# Altium PCB PrintNC_GRBLHAL_Breakout.pcbdoc (part 5 of 9) (continued)
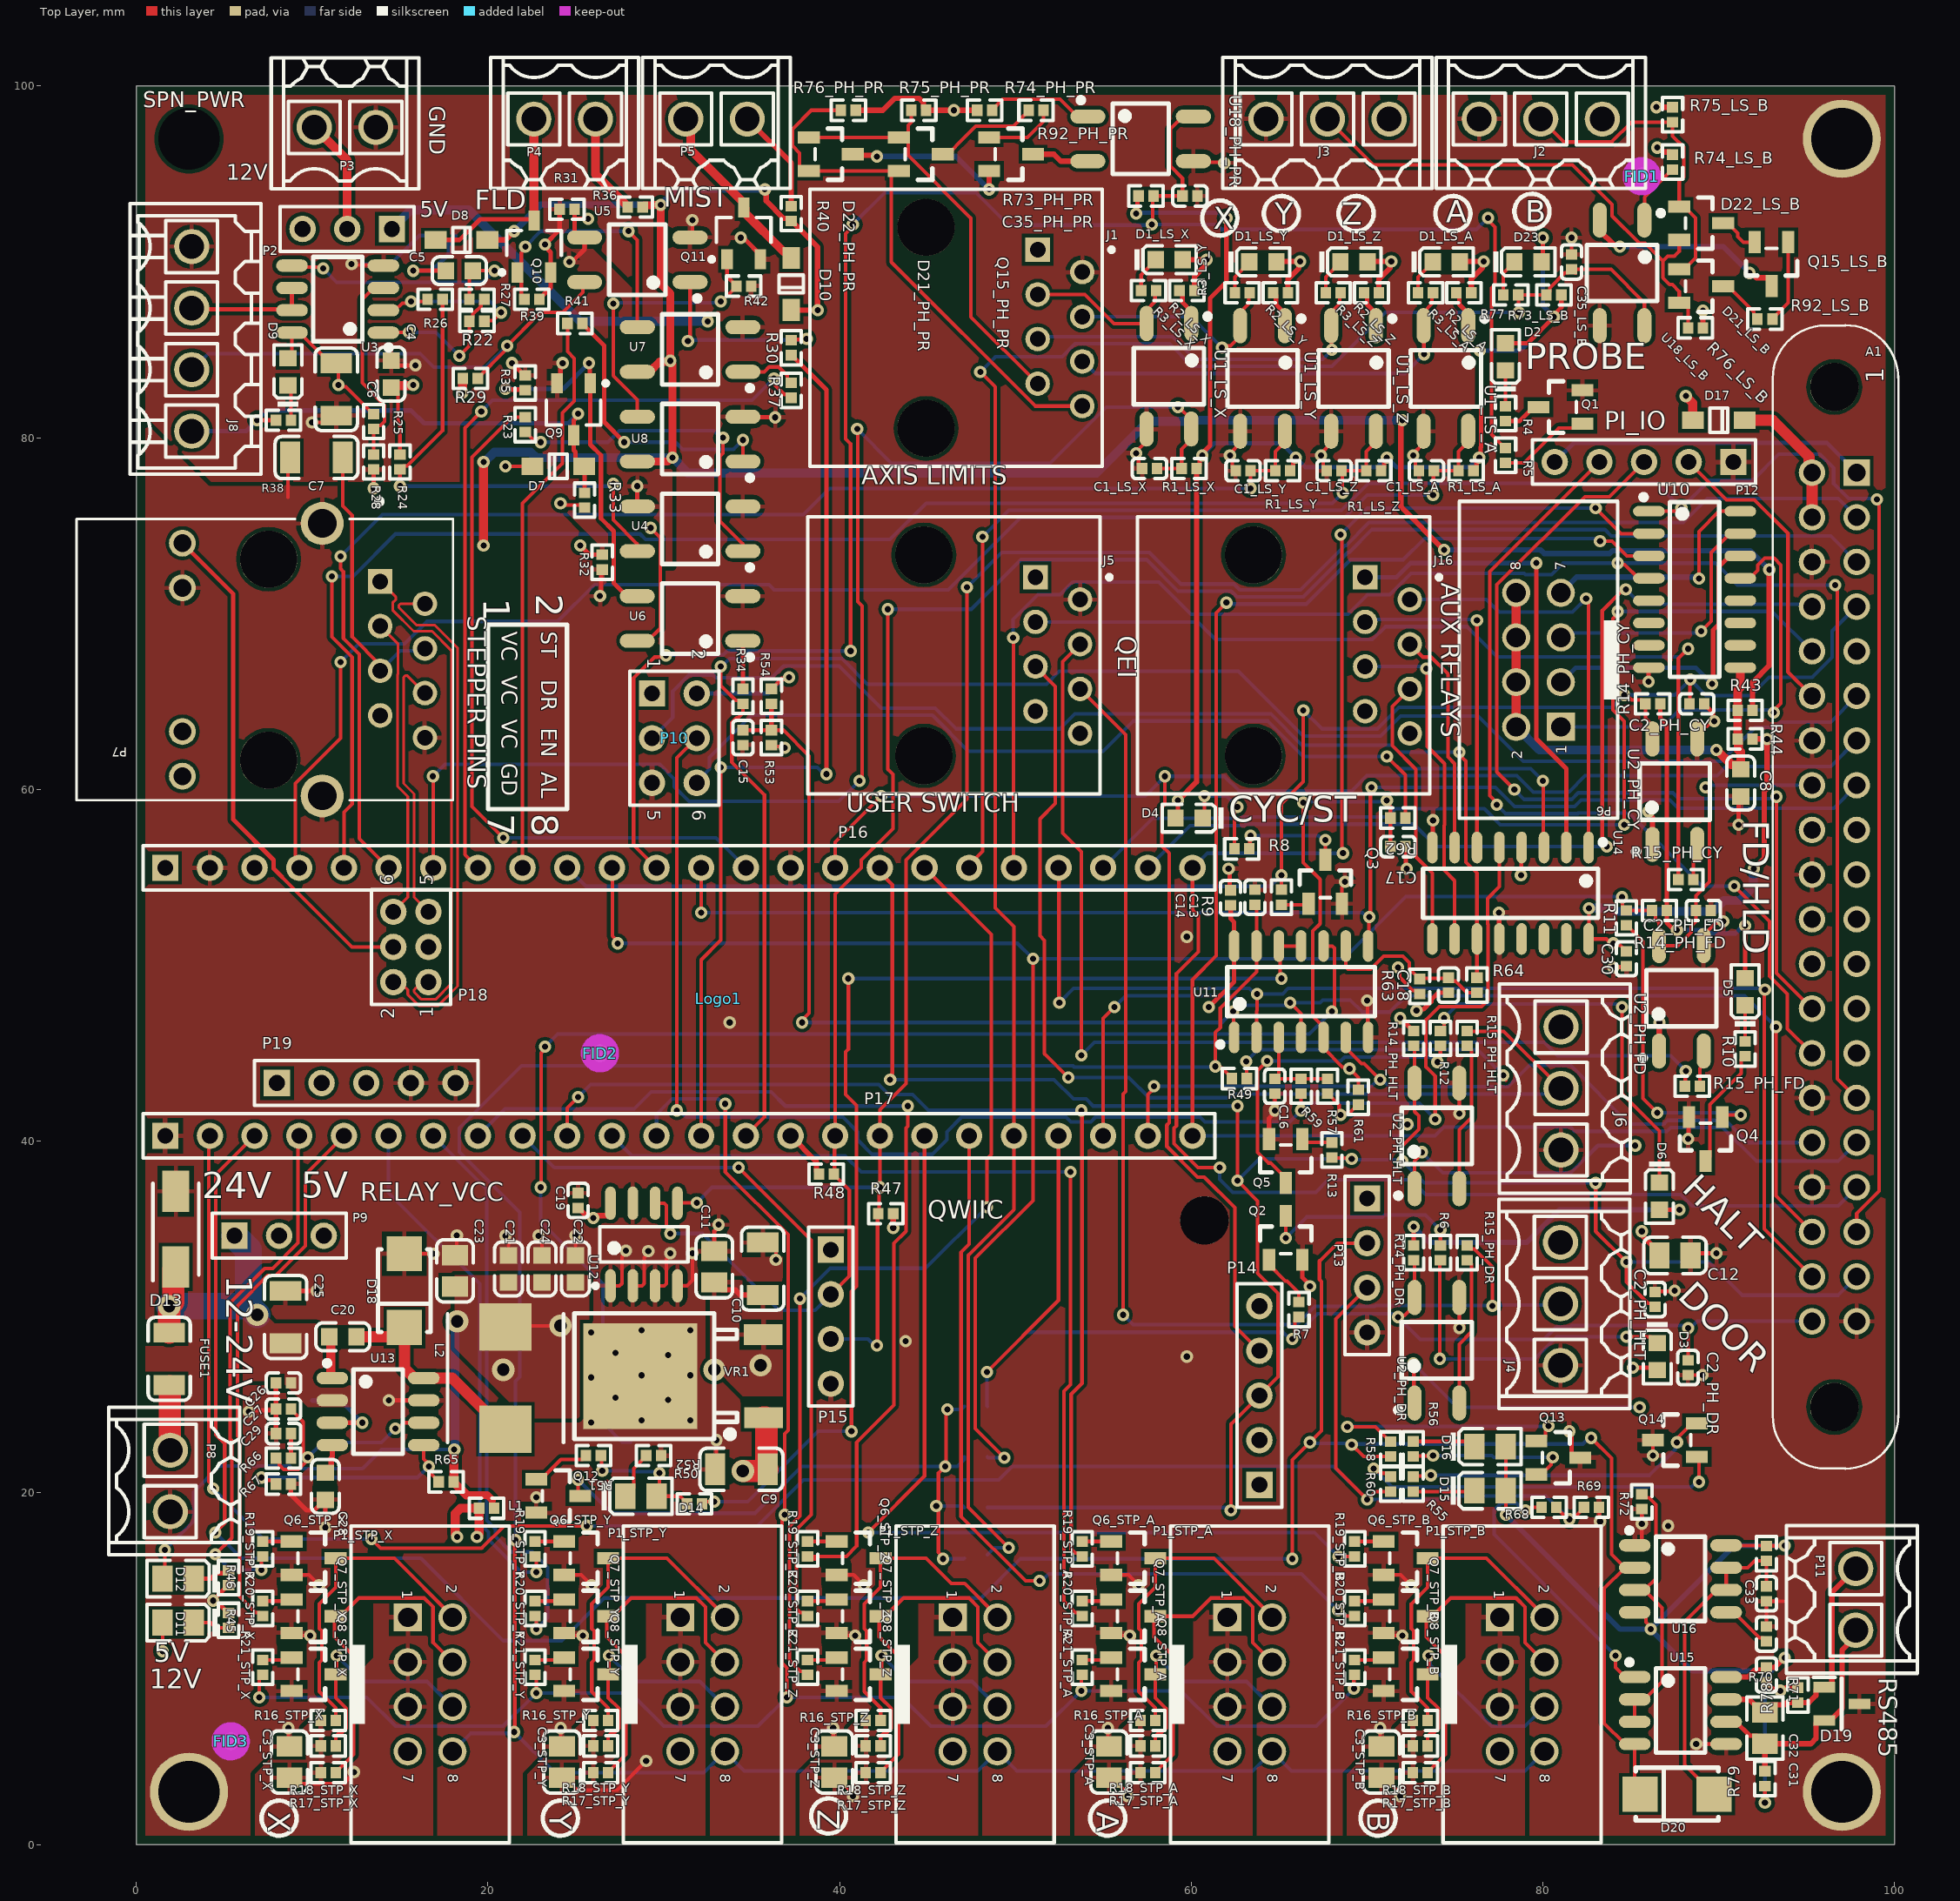
[diagram p0: Top Layer view]
## Footprints (in the part's own frame and the unit in brackets; to place one, negate y for a bottom-side part, rotate by r counter-clockwise, add the part's x,y. Pads: shape width x height; smd on the part's side, far side on the other; paste and mask are expansions set on the pad) (continued)
  silkscreen extent -1.27,-1.27 59.69,1.27
HDR2X3 [mm] "Connector; Header; 3x2 Position"
  rect 1.5x1.5 hole 0.9: 1(0,0)
  round 1.5 hole 0.9: 2(0,2.54) 3(2.54,0) 4(2.54,2.54) 5(5.08,0) 6(5.08,2.54)
  silkscreen extent -1.27,-1.27 6.35,3.81
"HDR2X3 - 2mm" [mm] "Connector; Header; 3x2 Position"
  round 1.5 hole 0.9: 1(0,0) 2(0,2) 3(2,0) 4(2,2) 5(4,0) 6(4,2)
  silkscreen extent -1.27,-1.27 5.25,3.25
INDPM7366X300N [mm]
  rect 2.7x2.95 smd: 1(-2.9,0) 2(2.9,0)
  silkscreen extent -3.65,-3.3 3.65,3.3, body extent -3.65,-3.3 3.65,3.3, height 3
SL_3_50_180G_02 [mm] "OMNIMATE Signal - Serie BL/SL 3.50  SL 3.50/02/180G 3.2"
  round 2 hole 1.4: A1(-1.75,-0.22) A2(1.75,-0.22)
  silkscreen extent -4.2,-3.73 4.2,3.73, body extent -4.2,-3.02 4.2,4.18, height 9.3
SL_3_50_180G_03 [mm] "OMNIMATE Signal - Serie BL/SL 3.50  SL 3.50/03/180G 3.2"
  round 2 hole 1.4: A1(-3.5,-0.22) A2(0,-0.22) A3(3.5,-0.22)
  silkscreen extent -5.95,-3.73 5.95,3.73, body extent -5.95,-3.02 5.95,4.18, height 9.3
SL_SMT_3_5_180G_04 [mm] "OMNIMATE Signal - Serie BL/SL 3.50  SL-SMT 3.50/04/180G 1.5"
  round 2 hole 1.4: A1(-5.25,-0.22) A2(-1.75,-0.22) A3(1.75,-0.22) A4(5.25,-0.22)
  silkscreen extent -7.7,-3.73 7.7,3.73, body extent -7.7,-3.02 7.7,4.18, height 9.3
SMA(DO-214AC)_S1 [mm]
  rect 2x2 smd: 1(2.1,0) 2(-2.1,0)
  silkscreen extent -2.35,-1.5 2.35,1.5
SOD-123 [mm]
  rect 1.25x1 smd: 1(1.475,0) 2(-1.475,0)
  silkscreen extent -0.5,-0.7 0.5,0.7, body extent -1.85,-0.77 1.85,0.78, height 1.35
SOIC-8_150mil [mm]
  oval 0.7x1.8 smd: 1(-1.905,-2.6) 2(-0.635,-2.6) 3(0.635,-2.6) 4(1.905,-2.6) 5(1.905,2.6) 6(0.635,2.6) 7(-0.635,2.6) 8(-1.905,2.6)
  silkscreen extent -2.9,-3.05 2.4,1.4
SOIC-14_150mil [mm]
  oval 0.6x1.8 smd: 1(-3.81,-2.6) 2(-2.54,-2.6) 3(-1.27,-2.6) 4(0,-2.6) 5(1.27,-2.6) 6(2.54,-2.6) 7(3.81,-2.6) 8(3.81,2.6) 9(2.54,2.6) 10(1.27,2.6) 11(0,2.6) 12(-1.27,2.6) 13(-2.54,2.6) 14(-3.81,2.6)
  silkscreen extent -4.75,-3.15 4.2,1.4, body extent -4.35,-3 4.35,3, height 1.35
SOIC-16_150mil [mm]
  oval 0.6x1.8 smd: 1(-4.445,-2.6) 2(-3.175,-2.6) 3(-1.905,-2.6) 4(-0.635,-2.6) 5(0.635,-2.6) 6(1.905,-2.6) 7(3.175,-2.6) 8(4.445,-2.6) 9(4.445,2.6) 10(3.175,2.6) 11(1.905,2.6) 12(0.635,2.6) 13(-0.635,2.6) 14(-1.905,2.6) 15(-3.175,2.6) 16(-4.445,2.6)
  silkscreen extent -5.4,-3.05 4.97,1.4, body extent -4.95,-2.97 4.95,3.03, height 1.75
SOIC-SN8_L [mm] "SOIC, 8-Leads, Body 4.9x3.9mm, Pitch 1.27mm, IPC High Density"
  oval 1.9x0.6 smd: 1(-2.35,1.905) 2(-2.35,0.635) 3(-2.35,-0.635) 4(-2.35,-1.905) 5(2.35,-1.905) 6(2.35,-0.635) 7(2.35,0.635) 8(2.35,1.905)
  silkscreen extent -2.47,-2.5 1,2.88, body extent -2,-2.5 2,2.5, height 1.75
SOP-4_P2.54 [mm]
  oval 2x0.8 smd: 1(-3,1.27) 2(-3,-1.27) 3(3,-1.27) 4(3,1.27)
  silkscreen extent -3.55,-2 1.6,2.35
SOT95P230X117-3N [mm]
  rect 1.25x0.6 smd: 1(-1,0.95) 2(-1,-0.95) 3(1,0)
  silkscreen extent -1.63,-1.45 0.03,1.5, body extent -1.15,-1.45 1.15,1.45, height 1.17
SOT-23(SOT-23-3) [mm]
  rect 1.25x0.7 smd: 1(1.25,-0.95) 2(1.25,0.95) 3(-1.25,0)
  silkscreen extent -0.65,-1.46 0.9,1.46, body extent -1.5,-1.5 1.5,1.5, height 1.3
SOT-23-3L [mm] "http://www.aosmd.com/res/packaging_information/SOT-23-3L.pdf"
  rect 1.15x0.65 smd: 1(1.475,-0.95) 2(1.475,0.95) 3(-1.475,0)
  silkscreen extent -0.9,-1.95 1.6,1.55, body extent -0.9,-1.55 0.9,1.55, height 1.25
TO-252-2-180 [mm] "180¶È±à´ø°ü×°"
  rect 2.2x1.2 smd: 1(0,2.361) 3(0.004,-2.361)
  rect 6.5x6 smd: 2(7,0)
  silkscreen extent 1.5,-3.57 10.75,3.57, body extent -0.2,-3.27 9.74,3.27, height 2.44

## Part data
A1: "Raspberry Pi Zero WH _Zero W with Headers_", Package=None, SuppliersPartNumber=C429949, Availability=Unavailable, MF="Raspberry Pi", MP=ADA3708, Price=None, SnapEDA_Link=https://www.snapeda.com/parts/ADA3708/Raspberry%20Pi/view-part/2770118/?ref=snap
C1_LS_A C1_LS_X C1_LS_Y C1_LS_Z C2_PH_CY C2_PH_DR C2_PH_FD C2_PH_HLT C13 C35_LS_B C35_PH_PR: library part "0402 100nF (104) 10% 16V", "Chip capacitors", Manufacturer="Samsung Electro-Mechanics", Package=0402, PartNumber=CL05B104KO5NNNC, SuppliersPartNumber=C1525, Tolerance=10%, VOLTAGE=16V, Capacitance=100nF, Supplier=LC
C3_STP_A C3_STP_B C3_STP_X C3_STP_Y C3_STP_Z C11 C12 C23: library part "0805 22uF (226) 20% 25V", "Chip capacitors", Manufacturer="Samsung Electro-Mechanics", Package=0805, PartNumber=CL21A226MAQNNNE, SuppliersPartNumber=C45783, Tolerance=20%, VOLTAGE=25V, Capacitance=22uF, Supplier=LC
C4 C8 C20: library part "0603 100nF (104) 10% 50V", "Chip capacitors", Manufacturer=YAGEO, Package=0603, PartNumber=CC0603KRX7R9BB104, SuppliersPartNumber=C14663, Tolerance=10%, VOLTAGE=50V, Capacitance=100nF, Supplier=LC
C5: library part "0603 1uF (105) 10% 50V", "Chip capacitors", Manufacturer="Samsung Electro-Mechanics", Package=0603, PartNumber=CL10A105KB8NNNC, SuppliersPartNumber=C15849, Tolerance=10%, VOLTAGE=50V, Capacitance=1uF, Supplier=LC
C6 C9 C10 C25: library part "1206 10uF (106) 10% 50V", "Chip capacitors", Manufacturer="Samsung Electro-Mechanics", Package=1206, PartNumber=CL31A106KBHNNNE, SuppliersPartNumber=C13585, Tolerance=10%, VOLTAGE=50V, Capacitance=10uF, Supplier=LC
C7: library part "1206 100nF (104) 10% 50V", "Chip capacitors", Manufacturer="Samsung Electro-Mechanics", Package=1206, PartNumber=CL31B104KBCNNNC, SuppliersPartNumber=C24497, Tolerance=10%, VOLTAGE=50V, Capacitance=100nF, Supplier=LC
C14 C19 C30 C31: library part "0402 1.0uF (105) 10% 25V", "Chip capacitor", Capacitance=1uF, Manufacturer="Samsung Electro-Mechanics", Package=0402, PartNumber=CL05A105KA5NQNC, SuppliersPartNumber=C52923, Tolerance=10%, VOLTAGE=25V, Supplier=LC
C15 C16 C17 C18 C26 C32 C33: library part "0402 10nF (103) 10% 50V", "Chip capacitors", Manufacturer="Samsung Electro-Mechanics", Package=0402, PartNumber=CL05B103KB5NNNC, SuppliersPartNumber=C15195, Tolerance=10%, VOLTAGE=50V, Capacitance=10nF, Supplier=LC
C21 C22 C24: library part "0603 10uF (106) 10% 10V", "Chip capacitors", Manufacturer="Samsung Electro-Mechanics", Package=0603, PartNumber=CL10A106KP8NNNC, SuppliersPartNumber=C19702, Tolerance=10%, VOLTAGE=10V, Capacitance=10uF, Supplier=LC
C27: library part "0402 10pF (100) 5% 50V", "Chip capacitors", Manufacturer="Samsung Electro-Mechanics", Package=0402, PartNumber=CL05C100JB5NNNC, SuppliersPartNumber=C32949, Tolerance=5%, VOLTAGE=50V, Capacitance=10pF, Supplier=LC
C28: library part "0603 8.2nF (822) 10% 50V", "Chip capacitors", Manufacturer="Samsung Electro-Mechanics", Package=0603, PartNumber=CL10B822KB8NNNC, SuppliersPartNumber=C27920, Tolerance=10%, VOLTAGE=50V, Capacitance=8.2nF, Supplier=LC
C29: library part "0402 6.8nF (682) 10% 50V", "Chip capacitors", Manufacturer="Guangdong Fenghua Advanced Tech", Package=0402, PartNumber=0402B682K500NT, SuppliersPartNumber=C1542, Tolerance=10%, VOLTAGE=50V, Capacitance=6.8nF, Supplier=LC
D1_LS_A D1_LS_X D1_LS_Y D1_LS_Z D3 D5 D23: library part "0603 LED Yellow", "LED", Color=Yellow, Package=0603, SuppliersPartNumber=C72038, Supplier=LC
D2 D9: library part "0603 LED White", "LED", Color=White, Package=0603, SuppliersPartNumber=C2290, Supplier=LC
D4: library part "0603 LED Green", "LED", Color=Green, Package=0603, SuppliersPartNumber=C72043, Supplier=LC
D6: library part "0603 LED Red", "LED", Color=Red, Package=0603, SuppliersPartNumber=C2286, Supplier=LC
D7 D8 D10: library part "SOD-123 B5819W  SL", "Schottky Diode", Package=SOD-123, SuppliersPartNumber=C8598, Supplier=LC
D11 D12 D16: library part "0805 LED Green", "LED", Color=Green, Package=0805, SuppliersPartNumber=C2297, Supplier=LC
D13: library part BZT52C27, "27V ±5% 1W 500nA @ 20.5V SMA(DO-214AC) Zener Diodes RoHS", Package=SMA(DO-214AC), SuppliersPartNumber=C155318, Supplier=LC
D14: library part "0805 LED Blue", "LED", Color=Blue, Package=0805, SuppliersPartNumber=C2293, Supplier=LC
D15: library part "0805 LED Red", "LED", Color=Red, Manufacturer="Foshan NationStar Optoelectronics", Package=0805, PartNumber=FC-2012HRK-620D, SuppliersPartNumber=C84256, Supplier=LC
D17: library part "SOD-123 B5819W  SL", "肖特基二极管", Package=SOD-123, SuppliersPartNumber=C8598, Supplier=LC
D18: library part "SMA(DO-214AC) SS54", "二极管", Package=SMA(DO-214AC), SuppliersPartNumber=C22452, Supplier=LC
D19: library part CDSOT23-SM712, "Bidirectional 12V (Max), 7V (Max) 7.5V / 13.3V 10V / 20V 12A(8/20us) SOT-23-3 TVS RoHS", Manufacturer_Name=DOWO, SuppliersPartNumber=C293966, HEIGHT=1.17mm, Manufacturer_Part_Number=SM712
D20: library part "SMA(DO-214AC) SS210", "二极管", Package=SMA(DO-214AC), SuppliersPartNumber=C14996, Supplier=LC
D21_LS_B D21_PH_PR: library part "SOT-23 BAV23C", "250V +150℃@(Tj) 350mW Dual Common Cathode 1.25V@200mA 50ns 100nA@250V 225mA SOT-23 Switching Diode ROHS", Package=SOT-23, SuppliersPartNumber=C545540, ComponentLink1Description=供应商链接, ComponentLink1URL=http://www.szlcsc.com/product/details_70091.html, Supplier=LC
D22_LS_B D22_PH_PR: library part "SOT-23 BAV23A", "200V -65℃~+150℃@(Tj) 350mW 1 Pair Common Anode 1.25V@200mA 50ns 100nA@200V 400mA SOT-23 Switching Diode ROHS", Package=SOT-23, SuppliersPartNumber=C328584, ComponentLink1Description=供应商链接, ComponentLink1URL=http://www.szlcsc.com/product/details_70091.html, Supplier=LC
FID1: library part Fiducial, "FIDUCIAL NO ASSEMBLY", Manufacturer 1=NONE, Manufacturer Part Number 1=NONE
FID2 FID3: "FIDUCIAL NO ASSEMBLY", Manufacturer 1=NONE, Manufacturer Part Number 1=NONE
FUSE1: library part JK-nSMD050-24, "24V 1A 0.1s 1206 PTC Resettable Fuses RoHS", Manufacturer="Jinrui Electronic Materials Co.", Package=1206, SuppliersPartNumber=C369160, PartNumber=JK-nSMD050-24, Supplier=LC
J1 J5 J16: library part CMP-03371-000003-1, "CONN MOD JACK 8P8C VERT UNSHLD", SuppliersPartNumber=C563815, Supplier=LCSC
J2 J3 J4 J6: library part CMP-1559-00904-1, "Header,Male Pin,Covered(4 Sided) 3 1 0.138\"（3.50mm） 3 P=3.5mm Pluggable System Terminal Block RoHS", Manufacturer="Ningbo Kangnex Elec", PartNumber=WJ15EDGVC-3.5-3P, SuppliersPartNumber=C192778, UL_94_flammability_rating=V-0, PackageReference=SL_3_50_180G_03, Packaging=Box, Pitch_inch="0.138 inch", Pitch_mm="3.5 mm", Revision=V1, Short_text_for_material="SL 3.50/03/180G 3.2SN OR BX", Side_termination_characteristic="closed side", Solder_pin_length_mm="3.2 mm"
J7 J9 J10 J11 J12 J13 J14 J15: library part 2waySolderNO
J8: library part CMP-1559-01140-1, "OMNIMATE Signal - series BL/SL 3.50", Manufacturer="Phoenix Contact", PartNumber=1751264, SuppliersPartNumber=C99845, UL_94_flammability_rating=V-0, PackageReference=SL_SMT_3_5_180G_04, Packaging=Box, Pitch_inch="0.138 inch", Pitch_mm="3.5 mm", Revision=V1, Short_text_for_material="SL-SMT 3.50/04/180G 3.2SN BK BX", Side_termination_characteristic="closed side", Solder_pin_length_mm="3.2 mm"
L1 R31 R32 R36 R40 R43 R44 R50: library part "0402 0R (0R0) 1%", "Chip resistor", Manufacturer="Uniroyal Elec", Package=0402, PartNumber=0402WGF0000TCE, Power=1/16W, Resistance=0Ω, SuppliersPartNumber=C17168, Tolerance=1%, Supplier=LC
L2: library part "1206 10uH 10%", "33uH ±20% 2A 270mΩ SMD,6.6x7.3x3.0mm Power Inductors RoHS", Package=SMD_6.6x7.3x3.0mm, SuppliersPartNumber=C329385, Supplier=JLCPCB
Logo1: library part SBT-Logo, Manufacturer 1=NONE, Manufacturer Part Number 1=NONE
P1_STP_A P1_STP_B P1_STP_X P1_STP_Y P1_STP_Z P6: library part CMP-1502-00006-1, "Male Box Header WR-BHD, THT, Vertical, pitch 2.54 mm, 8 pins", Manufacturer="Wurth Elektronik", Package Reference=61200821621, Packaging=Tray, Part Number=C9135, Pitch=2.54mm, Published Date=August2018, Publisher=WurthElektronik, SuppliersPartNumber=C9135
P2 P9: "Header, 3-Pin", SuppliersPartNumber=C49257, Publisher="Altium Limited"
P3 P4 P5 P8 P11: library part CMP-1559-00901-1, "Header,Male Pin,Covered(4 Sided) 2 1 0.138\"（3.50mm） 2 P=3.5mm Pluggable System Terminal Block RoHS", Manufacturer="Ningbo Kangnex Elec", PartNumber=WJ15EDGVC-3.5-2P, SuppliersPartNumber=C192777, UL_94_flammability_rating=V-0, PackageReference=SL_3_50_180G_02, Packaging=Box, Pitch_inch="0.138 inch", Pitch_mm="3.5 mm", Revision=V1, Short_text_for_material="SL 3.50/02/180G 3.2SN OR BX", Side_termination_characteristic="closed side", Solder_pin_length_mm="3.2 mm"
P7: library part HR911105A, "HR911105A Ethernet Interface Arduino Platform Evaluation Expansion Board", Package=None, SuppliersPartNumber=C163507, Availability=Unavailable, MF=DFRobot, MP=HR911105A, Price=None
P10: "Header, 3-Pin, Dual row", SuppliersPartNumber=C65114, Publisher="Altium Limited"
P12 P14 P19: "Header, 5-Pin", SuppliersPartNumber=C124379, LatestRevisionDate=17-Jul-2002, LatestRevisionNote="Re-released for DXP Platform.", Publisher="Altium Limited"
P13 P15: "Header, 4-Pin", SuppliersPartNumber=C124378, Publisher="Altium Limited"
P16 P17: "Header, 24-Pin", SuppliersPartNumber=C725956, LatestRevisionDate=17-Jul-2002, LatestRevisionNote="Re-released for DXP Platform.", Publisher="Altium Limited"
P18: "Header, 6-Pin 2x3, 2mm pitch", SuppliersPartNumber=C225288, LatestRevisionDate=17-Jul-2002, LatestRevisionNote="Re-released for DXP Platform.", Publisher="Altium Limited"
Q1 Q2 Q3 Q4 Q5 Q6_STP_A Q6_STP_B Q6_STP_X Q6_STP_Y Q6_STP_Z Q7_STP_A Q7_STP_B Q7_STP_X Q7_STP_Y Q7_STP_Z Q8_STP_A Q8_STP_B Q8_STP_X Q8_STP_Y Q8_STP_Z Q12 Q15_LS_B Q15_PH_PR: library part "SOT-23 MMBT5551  G1", "三极管", Package=SOT-23, SuppliersPartNumber=C2145, Supplier=LC
  Q15_LS_B Q15_PH_PR: ComponentLink1Description=供应商链接, ComponentLink1URL=http://www.szlcsc.com/product/details_2502.html
Q9 Q10 Q11: library part "AO3400A N道沟 X0YV1T SOT-23", "MOS(场效应管)", Package=SOT-23, SuppliersPartNumber=C20917, Supplier=LC
Q13 Q14: library part "SOT-23 MMBT5401 2L", "三极管", Package=SOT-23, SuppliersPartNumber=C8326, Supplier=LC
R1_LS_A R1_LS_X R1_LS_Y R1_LS_Z R22 R25 R28 R45 R49 R51 R65 R72 R73_LS_B R73_PH_PR R78 R79: library part "0402 10K (1002) 1%", "Chip resistor", Manufacturer="Uniroyal Elec", Package=0402, PartNumber=0402WGF1002TCE, Power=1/16W, Resistance=10KΩ, SuppliersPartNumber=C25744, Tolerance=1%, Supplier=LC
R2_LS_A R2_LS_X R2_LS_Y R2_LS_Z R4 R6 R8 R10 R12 R46 R52 R67 R68 R74_LS_B R74_PH_PR: library part "0402 2K (2001) 1%", "Chip resistor", Manufacturer="Uniroyal Elec", Package=0402, PartNumber=0402WGF2001TCE, Power=1/16W, Resistance=2KΩ, SuppliersPartNumber=C4109, Tolerance=1%, Supplier=LC
  R46 R74_LS_B R74_PH_PR: ComponentLink1Description="Supplier link", ComponentLink1URL=http://www.szlcsc.com/product/details_4516.html
R3_LS_A R3_LS_X R3_LS_Y R3_LS_Z R14_PH_CY R14_PH_DR R14_PH_FD R14_PH_HLT R16_STP_A R16_STP_B R16_STP_X R16_STP_Y R16_STP_Z R17_STP_A R17_STP_B R17_STP_X R17_STP_Y R17_STP_Z R18_STP_A R18_STP_B R18_STP_X R18_STP_Y R18_STP_Z R24 R26 R29 R33 R38 R47 R48 R55 R75_LS_B R75_PH_PR R76_LS_B R76_PH_PR: library part "0402 4.7K (4701) 1%", "Chip resistor", Manufacturer="Uniroyal Elec", Package=0402, PartNumber=0402WGF4701TCE, Power=1/16W, Resistance=4.7KΩ, SuppliersPartNumber=C25900, Tolerance=1%, Supplier=LC
  R47 R48 R75_LS_B R75_PH_PR R76_LS_B R76_PH_PR: ComponentLink1Description="Supplier link", ComponentLink1URL=http://www.szlcsc.com/product/details_26643.html
R5 R7 R9 R11 R13 R58 R60 R66: library part "0402 51K (5102) 1%", "Chip resistor", Manufacturer="Uniroyal Elec", Package=0402, PartNumber=0402WGF5102TCE, Power=1/16W, Resistance=51KΩ, SuppliersPartNumber=C25794, Tolerance=1%, Supplier=LC
R15_PH_CY R15_PH_DR R15_PH_FD R15_PH_HLT R35 R39 R42: library part "0402 1K (1001) 1%", "Chip resistor", Manufacturer="Uniroyal Elec", Package=0402, PartNumber=0402WGF1001TCE, Power=1/16W, Resistance=1KΩ, SuppliersPartNumber=C11702, Tolerance=1%, Supplier=LC
  R35 R39 R42: ComponentLink1Description="Supplier link", ComponentLink1URL=http://www.szlcsc.com/product/details_12256.html
R19_STP_A R19_STP_B R19_STP_X R19_STP_Y R19_STP_Z R20_STP_A R20_STP_B R20_STP_X R20_STP_Y R20_STP_Z R21_STP_A R21_STP_B R21_STP_X R21_STP_Y R21_STP_Z: library part "0402 2.2K (2201) 1%", "Chip resistor", Manufacturer="Uniroyal Elec", Package=0402, PartNumber=0402WGF2201TCE, Power=1/16W, Resistance=2.2KΩ, SuppliersPartNumber=C25879, Tolerance=1%, Supplier=LC
R23 R30 R34 R37 R41 R54 R59 R62 R64: library part "0402 510R (5100) 1%", "Chip resistor", Manufacturer="Uniroyal Elec", Package=0402, PartNumber=0402WGF5100TCE, Power=1/16W, Resistance=510Ω, SuppliersPartNumber=C25123, Tolerance=1%, Supplier=LC
R27 R53 R57 R61 R63: library part "0402 100K (1003) 1%", "Chip resistor", Manufacturer="Uniroyal Elec", Package=0402, PartNumber=0402WGF1003TCE, Power=1/16W, Resistance=100KΩ, SuppliersPartNumber=C25741, Tolerance=1%, Supplier=LC
R56: library part "0402 5.6K (5601) 1%", "Chip resistor", Manufacturer="Uniroyal Elec", Package=0402, PartNumber=0402WGF5601TCE, Power=1/16W, Resistance=5.6KΩ, SuppliersPartNumber=C25908, Tolerance=1%, Supplier=LC
R69: library part "0402 8.2K (8201) 1%", "Chip resistor", Manufacturer="Uniroyal Elec", Package=0402, PartNumber=0402WGF8201TCE, Power=1/16W, Resistance=8.2KΩ, SuppliersPartNumber=C25924, Tolerance=1%, Supplier=LC
R70: library part "0805 120R (1200) 1%", "Chip resistor", Manufacturer="Uniroyal Elec", Package=0805, Power=1/8W, SuppliersPartNumber=C17437, Tolerance=1%, Supplier=LC
R71: library part "0402 3.9K (3901) 1%", "Chip resistor", Manufacturer="Uniroyal Elec", Package=0402, PartNumber=0402WGF3901TCE, Power=1/16W, Resistance=3.9KΩ, SuppliersPartNumber=C51721, Tolerance=1%, Supplier=LC
R77: library part "0402 1.2K (1201) 1%", "Chip resistor", Manufacturer="Uniroyal Elec", Package=0402, PartNumber=0402WGF1201TCE, Power=1/16W, Resistance=1.2KΩ, SuppliersPartNumber=C25862, Tolerance=1%, Supplier=LC
R92_LS_B R92_PH_PR: library part "0402 47K (4702) 1%", "Chip resistor", Manufacturer="Uniroyal Elec", Package=0402, PartNumber=0402WGF4702TCE, Power=1/16W, Resistance=47KΩ, SuppliersPartNumber=C25792, Tolerance=1%, ComponentLink1Description="Supplier link", ComponentLink1URL=http://www.szlcsc.com/product/details_26535.html, Supplier=LC
U1_LS_A U1_LS_X U1_LS_Y U1_LS_Z U2_PH_CY U2_PH_DR U2_PH_FD U2_PH_HLT U18_LS_B U18_PH_PR: library part EL357N(B)(TA)-G_[C6649], "贴片光耦", Package=SOP-4_P2.54, SuppliersPartNumber=C6649, Supplier=LC
U3: library part LM358DR2G_[C7950], "LM358DR2G,  Dual Op Amp,  5 - 28 V,  8-PinSOIC", Manufacturer 1="ON Semiconductor", Package=SOIC-8, SuppliersPartNumber=C7950, Length=5mm, Manufacturer Part Number 1=LM358DR2G, Packaging="Tape and Reel", Supplier=LC
U4 U5 U6 U7 U8: library part EL357N(B)(TA)-G_[C6649], "Optocoupler SOP-4, EL357N(B)(TA)-G, Everlight Electronics", Manufacturer 1=Everlight, Package=SOP-4_P2.54, SuppliersPartNumber=C6649, Manufacturer Part Number 1=EL357N(B)(TA)-G, Supplier=LC
U10: library part ULN2003AFWG_[C5437], "大电流驱动", Package=SOIC-16_150mil, SuppliersPartNumber=C5437, Supplier=LC
U11: library part 74HC14D_[C5605], "74系列逻辑芯片", Package=SOIC-14_150mil, SuppliersPartNumber=C5605, Supplier=LC
U12: library part CMP-0159-00216-1, "IC EEPROM 16KBIT I2C 8SOIC", SuppliersPartNumber=C6480
U13: library part TPS54331DR_[C9865], "DC-DC芯片", Package=SOIC-8_150mil, SuppliersPartNumber=C9865, Supplier=LC
U14: library part AM26LS32ACDRG4_[C6180], "接口芯片", Package=SOIC-16_150mil, SuppliersPartNumber=C6180, Supplier=LC
U15: library part SN75176BDR_[C7063], "RS-485/RS-422", Package=SOIC-8_150mil, SuppliersPartNumber=C7063, Supplier=LC
U16: library part NE555, SuppliersPartNumber=C7593, Supplier=LC
VR1: library part "TO-252-2 L78M05ABDT-TR", "DNI", Package=TO-252-2, SuppliersPartNumber=C61534, Supplier=digikey

## Free pads (board coordinates)
  round 4.445 hole 3.5: 0(3,3) 0(97,3) 0(97,97)
  round 0 hole 3.5 unplated: 0(3,97)
  round 2.75 hole 2.75: 0(60.75,35.5)

## Via types
v1: diameter 0.7, hole 0.35, Top Layer to Bottom Layer, tented both sides, 402 vias
v2: diameter 1.27, hole 0.711, Top Layer to Bottom Layer, tented both sides, 8 vias

## Nets (pads, with @x,y where several pads share a name; then routed paths per layer and width w, separated by ;. In a path a pad name is that pad's centre, name@x,y a point inside that pad or via, vN(x,y) a via of type N, cw(c..) or ccw(c..) an arc to the next point about the centre after c; other vN are vias at no path point)
+3.3V: C14.1 C19.2 D2.A D3.A D4.A D5.A D6.A D23.A P13.1 P15.1 P17.15 R1_LS_A.2 R1_LS_X.2 R1_LS_Y.2 R1_LS_Z.2 R14_PH_CY.2 R14_PH_DR.2 R14_PH_FD.2 R14_PH_HLT.2 R47.2 R48.2 R73_LS_B.2 R73_PH_PR.2 U11.14 U12.8 | length 168
  Top Layer w0.254: v1(56.875,92.75) 56.937,92.812 56.937,93.687 R73_PH_PR.2@57,93.75 ; D4.A@59.105,58.375 59.25,58.52 v1(59.25,59.375) ; R1_LS_X.2@60.3,78.25 60.473,78.423 60.473,78.727 60.625,78.879 60.625,79.121 61.07,79.566 61.07,87.937 62,88.867 v1(62,92.5) ; v1(61,47.625) 62.44,49.065 62.44,52.458 62.247,52.651 62.247,53.406 C14.1@62.23,53.423 ; R1_LS_Y.2@65.625,78.125 65.798,78.298 v1@65.798,78.602 ; R1_LS_Z.2@70.8,78.125 70.973,78.298 70.973,78.602 71.125,78.754 v1(71.125,78.875) ; v1(71.875,47) 71.891,47 72.619,46.272 R14_PH_HLT.2@72.644,46.272 ; R14_PH_DR.2@72.644,34.08 v1(72.644,35.144) ; R1_LS_A.2@76.05,78.15 76.223,78.323 76.223,78.602 76.375,78.754 v1(76.375,78.875) 76.46,78.96 76.46,79.453 76.48,79.473 76.48,84.886 v1(76.412,84.954) ; D2.A@77.875,85.375 79.125,85.375 v1(80.625,86.875) 80.625,86.994 81.05,87.419 R73_LS_B.2@81.05,88.125 ; D23.A@79.915,90 80,90.085 v1(80,91.375) ; v1(85.125,27.125) 86.355,27.125 D3.A@86.5,26.98 ; D6.A@86.625,36.105 v1(87.77,36.105) ; R14_PH_CY.2@86.675,64.875 86.675,64.062 87.05,63.687 87.05,52.419 87.384,52.085 87.54,52.085 v1(87.625,52) ; D5.A@91.5,49.27 v1(91.5,52.25)
  Top Layer w0.305: C19.2@25.125,36.2 25.15,36.2 25.649,35.701 25.924,35.701 v1(26,35.625) 26.107,35.625 26.25,35.769 26.834,35.769 26.97,35.905 U12.8@26.97,36.475 ; P17.15@37.211,40.307 38.677,38.841 38.677,38.273 R48.2@38.825,38.125 ; v1(43.05,35.075) R47.2@43.05,35.875 ; v1(59.25,59.375) 60.3,60.425 R1_LS_X.2@60.3,78.25
  PWR w0.254: v1(85.125,27.125) 85.125,28.288 85.43,28.593 85.43,30.68 87.77,33.02 v1(87.77,36.105)
  PWR w0.305: P13.1@70,36.745 71.601,35.144 v1(72.644,35.144) ; v1(87.625,52) 87.625,45.498 88.955,44.167 88.955,39.08 87.77,37.895 v1(87.77,36.105)
  Bottom Layer w0.254: v1(56.875,92.75) 56.93,92.805 61.574,92.805 61.879,92.5 v1(62,92.5) ; v1(60.625,79) 61.305,79.68 65.145,79.68 66.505,78.32 70.57,78.32 v1(71.125,78.875) 71.68,78.32 75.82,78.32 v1(76.375,78.875) ; v1(76.412,84.954) 78.704,84.954 v1(80.625,86.875) 80,87.5 v1(80,91.375) ; v1(87.625,52) 89.257,52 89.437,51.82 90.949,51.82 91.379,52.25 v1(91.5,52.25)
  Bottom Layer w0.305: v1(72.644,35.144) 73.536,34.252 79.085,34.252 80.938,36.105 v1(87.77,36.105)
  other v1: 65.95,78.875
+5V: C21.2 C22.2 C23.2 C24.2 C30.2 C31.2 D12.A D15.A D16.A D17.1 J16.7 L1.1 L2.2 P2.1 P9.3 P10.1 P14.1 P16.1 P19.1 R44.1 R49.2 R53.2 R57.2 R61.2 R63.2 R65.2 R71.2 R79.1 U14.4 U14.16 U15.8 U16.4 U16.8 | length 212.2
  Top Layer w0.203: D12.A@1.5,15.125 1.625,15.25 v1(1.625,16.75) ; L2.2@21,29.425 21.075,29.5 v2(24.125,29.5) ; R53.2@36.125,62.525 36.2,62.45 36.8,62.45 v1(36.875,62.375) ; v1(63.129,44.542) 63.146,44.525 63.146,43.578 R49.2@63.163,43.561 ; R57.2@67.75,42.7 67.775,42.7 68.405,42.07 68.405,41.595 v1(68.5,41.5) 68.595,41.595 68.995,41.595 69.475,42.075 R61.2@69.5,42.075 ; v1(71.75,49.875) 71.845,49.78 71.845,49.324 72.596,48.573 72.802,48.573 R63.2@73,48.375 ; v1(77.75,43.75) 77.75,43.616 v1@77.886,43.48 ; v1(77.886,18.761) D15.A@77.886,20.128 D16.A@77.886,22.628 ; v1(78.75,55.125) 78.77,55.145 78.77,56.68 U14.4@78.79,56.7 ; v1(82.625,53.25) 82.612,53.237 82.612,51.513 U14.16@82.6,51.5 83.616,51.5 83.866,51.25 v1(84,51.25) 84.095,51.155 84.37,51.155 84.725,50.8 C30.2@84.75,50.8 ; U16.4@85.221,13.208 85.637,13.208 85.866,12.979 85.866,12.643 86.125,12.384 v1(86.125,12.25) ; U16.8@90.421,17.018 90.44,16.999 92.69,16.999 R71.2@92.71,16.979 92.72,16.99 93.74,16.99 v1(93.75,17) ; v1(92.625,2.375) R79.1@92.625,3.325
  Top Layer w0.305: U15.8@90.421,9.525 91.656,9.525 92.061,9.929 92.562,9.929 C31.2@92.71,10.077 93.202,10.077 v1(93.75,10.625) ; R44.1@91.925,62.875 v1(92.75,62.875) 92.75,60.048 92.582,59.88 92.582,56.082 v1(92,55.5)
  Top Layer w0.381: R65.2@18.05,20.625 18.16,20.516 R65.2@18.16,20.491 ; v1@18.05,22.425 v1(18.088,22.463) ; 20.241,19.566 20.241,19.235 L1.1@20.35,19.125
  Top Layer w0.432: 18.775,19.875 19.967,19.875 20.241,19.602 20.241,19.566
  Top Layer w0.508: R65.2@18.05,20.625 18.069,20.644 18.069,22.406 v1@18.05,22.425 ; R65.2@18.16,20.491 18.775,19.875 ; v1(88.125,82.375) 88.525,81.975 D17.1@88.525,81
  PWR w0.305: v1(77.886,18.761) 77.886,21.011
  PWR w0.508: P10.1@29.335,65.46 32.5,68.625 v1(32.5,86.625) ; 69.25,51.125 70.193,50.182 71.391,50.182 71.698,49.875 v1(71.75,49.875) ; v1(78.75,55.125) 80.75,55.125 v1(82.625,53.25)
  PWR w0.6: 73.875,75.25 74.375,75.25 81.5,82.375 v1(88.125,82.375)
  Bottom Layer w0.203: v1(1.625,16.75) 3.255,18.38 3.255,20.055 4.729,21.53 8.721,21.53 8.879,21.372 12.871,21.372 13.961,22.463 v1(18.088,22.463) ; v1(63.129,44.542) 63.795,45.209 76.291,45.209 v1(77.75,43.75) ; v1(68.5,41.5) 71.75,41.5 72.386,40.864 v1@72.604,40.864 ; v1(92.625,2.375) 92.625,9.5 93,9.875 v1(93.75,10.625)
  Bottom Layer w0.305: v1(77.886,18.761) 84.397,12.25 v1(86.125,12.25) ; 93,9.875 88.5,9.875 v1(86.125,12.25) ; v1(93.75,17) 90.875,17 v1(86.125,12.25)
  Bottom Layer w0.508: P2.1@14.54,91.875 15.622,92.957 18.902,92.957 25.234,86.625 v1(32.5,86.625) ; v1(18.088,22.463) 18.124,22.499 18.124,29.624 v2(18.25,29.75) ; v1(82.625,53.25) 83.984,53.25 84.166,53.068 89.677,53.068 90.302,53.693 91.209,53.693 91.963,54.447 91.963,55.463 v1(92,55.5)
  other v1: 72.291,40.959
  other v2: 20.875,27
+12V: C10.2 C11.2 C12.2 D1_LS_A.A D1_LS_X.A D1_LS_Y.A D1_LS_Z.A D11.A J1.1 J2.A1 J3.A1 J4.A1 J5.1 J6.A1 P2.3 R2_LS_A.2 R2_LS_X.2 R2_LS_Y.2 R2_LS_Z.2 R74_LS_B.2 R74_PH_PR.2 R75_LS_B.2 R75_PH_PR.2 R76_LS_B.2 R76_PH_PR.2 U2_PH_CY.1 U2_PH_DR.1 U2_PH_FD.1 U2_PH_HLT.1 VR1.3 | length 89
  Top Layer w0.203: D11.A@1.485,12.625 1.5,12.61 v1(1.5,11) ; v1(72.625,27.375) 72.663,27.337 72.663,25.149 U2_PH_DR.1@72.702,25.11 ; U2_PH_HLT.1@72.702,37.302 72.702,38.872 73.125,39.295 v1(73.125,39.375)
  Top Layer w0.305: C11.2@32.875,31.97 33.303,31.542 34.067,31.542 34.35,31.26 C10.2@35.625,31.26 ; R76_PH_PR.2@40.925,98.625 42.457,98.625 43.138,99.305 44.522,99.305 44.777,99.05 44.777,98.773 R75_PH_PR.2@44.925,98.625 v1(46.5,98.625) R74_PH_PR.2@47.825,98.625 ; D1_LS_X.A@59.52,90.125 v1(60.875,90.125) 60.799,90.049 60.799,89.782 60.175,89.157 R2_LS_X.2@60.175,88.375 ; D1_LS_Y.A@64.845,90.025 v1(66.2,90.025) 66.125,89.949 66.125,89.657 65.5,89.032 R2_LS_Y.2@65.5,88.275 ; D1_LS_Z.A@70.02,90.025 v1(71.375,90.025) 71.3,89.949 71.3,89.657 70.675,89.032 R2_LS_Z.2@70.675,88.275 ; D1_LS_A.A@75.27,90.025 v1(76.625,90.025) 76.55,89.949 76.55,89.657 75.925,89.032 R2_LS_A.2@75.925,88.275 ; v1(85.625,34.875) 85.701,34.799 85.701,34.579 86.625,33.655 C12.2@86.625,33.5 ; v1(86,58.75) 86,58.643 86.23,58.413 U2_PH_CY.1@86.23,56.875 ; v1(86.45,98.8) R75_LS_B.2@87.375,98.8 ; v1(86.5,96.5) 86.607,96.5 86.859,96.248 87.227,96.248 R74_LS_B.2@87.375,96.1 ; U2_PH_FD.1@86.605,45.125 86.615,45.135 86.615,46.74 v1(86.625,46.75) ; R76_LS_B.2@89.1,86.25 v1(89.1,87.225)
  PWR w0.203: v1(1.5,11) 1.5,14.625
  PWR w0.381: J5.1@51.14,72.07 51.14,81.661 50.176,82.624 50.176,89.607 J1.1@51.265,90.695
  Bottom Layer w0.203: v1(72.625,27.375) 75.125,24.875 v1(85.5,24.875) ; v1(73.125,39.375) 74.305,38.195 81.57,38.195 83.125,39.75 v1(85.25,39.75)
  other v2: 32.89,27 35.5,27.25
+24V: C9.2 C25.2 C26.2 D13.2 FUSE1.2 P9.1 U13.2 VR1.1 | length 49.3
  Top Layer w1.27: FUSE1.2@1.875,29.115 v2(1.875,30.625) 2.11,30.86 2.11,32.71 D13.2@2.25,32.85 ; v2(34.5,21.25) 35.837,21.25 35.907,21.32 C9.2@35.907,21.336 35.837,21.406 35.837,24.246 35.802,24.281 VR1.1@35.668,24.281
  PWR w1.27: v2(6.875,30.125) 15.667,30.125 23.354,22.438 30.117,22.438 31.305,21.25 v2(34.5,21.25)
  Bottom Layer w1.524: v2(1.875,30.625) 6.375,30.625 ; P9.1@5.585,34.625 6.375,33.835 6.375,30.625 ; v2(6.875,30.125) 6.375,30.625
A: D19.2 P11.A1 R70.1 R79.2 U15.6 | length 14.8
  Top Layer w0.254: U15.6@90.421,6.985 90.971,6.985 91.768,6.188 92.172,6.188 R70.1@92.625,5.735
  Top Layer w0.305: R79.2@92.625,4.175 R70.1@92.625,5.735 95.235,5.735 95.527,6.027 95.527,6.902 95.675,7.05 96.325,7.05 97.02,7.745 97.02,11.074 97.79,11.844 P11.A1@97.79,12.192
A_INDEX_EXT+: J16.1 U14.2 | length 26.9
  Top Layer w0.254: v1(79.625,72.875) 79.625,62.893 81.33,61.188 U14.2@81.33,56.7
  Bottom Layer w0.254: J16.1@69.89,72.07 71.676,72.07 72.481,72.875 v1(79.625,72.875)
A_INDEX_EXT-: J16.2 U14.1 | length 24.9
  Top Layer w0.203: v1(82.458,70.856) 82.458,70.722 82.6,70.579 U14.1@82.6,56.7
  Bottom Layer w0.203: J16.2@72.43,70.8 76.79,70.8 77.509,70.08 81.682,70.08 v1(82.458,70.856)
A_LIM: C1_LS_A.2 P16.4 R1_LS_A.1 U1_LS_A.4 | length 84.4
  Top Layer w0.203: P16.4@9.271,55.547 9.049,55.769 9.049,60.343 11.625,62.919 v1(11.625,67.25) ; v1(73.75,76.75) 73.775,76.775 73.775,78.1 C1_LS_A.2@73.8,78.125 R1_LS_A.1@75.2,78.125 75.2,79.225 75.75,79.775 U1_LS_A.4@75.75,80.375
  Bottom Layer w0.203: v1(11.625,67.25) 12.664,68.289 15.263,68.289 16.533,69.559 23.974,69.559 26.07,71.655 35.979,71.655 36.274,71.359 46.184,71.359 50.293,75.469 68.719,75.469 70,76.75 v1(73.75,76.75)
AUX0: A1.29 P16.20 U10.4 | length 96.1
  Top Layer w0.203: v1(49.875,68.625) 49.893,68.607 49.893,55.565 P16.20@49.911,55.547 ; v1(84.25,72.875) 84.345,72.78 84.655,72.78 85.425,72.01 U10.4@86.025,72.01 ; v1(96.625,71.625) 96.72,71.53 96.72,71.288 96.75,71.258 96.75,43.553 A1.29@97.843,42.46
  Bottom Layer w0.203: v1(49.875,68.625) 49.875,69.679 51.267,71.07 52.537,71.07 53.266,71.8 58.148,71.8 59.977,69.97 68.917,69.97 70.017,71.07 71.287,71.07 72.506,72.29 78.938,72.29 79.007,72.22 80.493,72.22 81.148,72.875 89.813,72.875 91.063,71.625 v1(96.625,71.625)
AUX0_RLY: P6.1 U10.13 | length 24.2
  Top Layer w0.203: U10.13@91.225,72.01 91.76,72.01 92.22,72.47 92.22,72.771 92.604,73.155 93.146,73.155 93.53,72.771 93.53,64.896 93.125,64.492 v1(93.125,64.375)
  Bottom Layer w0.203: P6.1@81.02,63.565 86.795,63.565 87.759,64.53 92.836,64.53 92.991,64.375 v1(93.125,64.375)
AUX1: A1.31 P17.24 U10.3 | length 96.5
  Top Layer w0.203: P17.24@60.071,40.307 60.071,49.196 61.415,50.54 61.415,70.04 v1(62,70.625) ; v1(83.25,74.125) 83.926,74.125 84.771,73.28 U10.3@86.025,73.28
  Bottom Layer w0.203: P17.24@60.071,40.307 60.074,40.304 73.855,40.304 74.355,40.805 81.57,40.805 81.811,40.564 87.053,40.564 87.268,40.78 90.224,40.78 92.142,38.861 96.784,38.861 A1.31@97.843,39.92 ; v1(62,70.625) 62.078,70.547 66.546,70.547 69.069,73.07 72.065,73.07 73.275,74.28 82.961,74.28 83.116,74.125 v1(83.25,74.125)
AUX1_RLY: P6.3 U10.14 | length 17.6
  Top Layer w0.254: v1(89.625,66) 89.68,66.055 89.68,69.069 89.995,69.384 89.995,72.65 90.625,73.28 U10.14@91.225,73.28
  Bottom Layer w0.254: P6.3@81.02,66.105 81.04,66.105 81.865,66.93 88.695,66.93 v1(89.625,66)
AUX2: A1.33 P16.24 U10.2 | length 103.9
  Top Layer w0.203: P16.24@60.071,55.547 60.071,53.154 60.405,52.821 60.405,50.779 59.156,49.531 59.156,40.884 59.016,40.744 59.016,39.87 60.387,38.5 v1(61.625,38.5) ; v1(68.5,74.5) 68.565,74.435 68.565,56.44 v1(68.63,56.375) ; v1(83,76) 84.45,74.55 U10.2@86.025,74.55
  Bottom Layer w0.203: P16.24@60.071,55.547 60.097,55.547 60.925,56.375 v1(68.63,56.375) ; v1(61.625,38.5) 61.625,37.824 62.354,37.095 67.075,37.095 67.779,37.8 72.501,37.8 73.33,36.97 87.83,36.97 88.479,36.321 96.784,36.321 A1.33@97.843,37.38 ; v1(68.5,74.5) 70,76 v1(83,76)
AUX2_RLY: P6.5 U10.15 | length 15
  Top Layer w0.203: v1(89,69) 89.563,69.563 89.563,73.488 90.625,74.55 U10.15@91.225,74.55
  Bottom Layer w0.203: P6.5@81.02,68.645 81.28,68.905 88.905,68.905 v1(89,69)